# Altium PCB Graviton-RB1.PcbDoc (part 5 of 11)
Units mil, origin at the board's own origin, x right, y up, seen from the top; angles counter-clockwise.
Board outline 7874.02 x 7874.02 mil, 10 copper layers (Top Layer, Internal Plane 1, Signal Layer 1, Internal Plane 2, Signal Layer 2, Signal Layer 3, Internal Plane 3, Signal Layer 4, Internal Plane 4, Bottom Layer), stack 65.914 mil thick; 1299 components, 1517 nets, 7968 pads, 1791 vias.
Unrouted connection lines stored in the file: 4618.
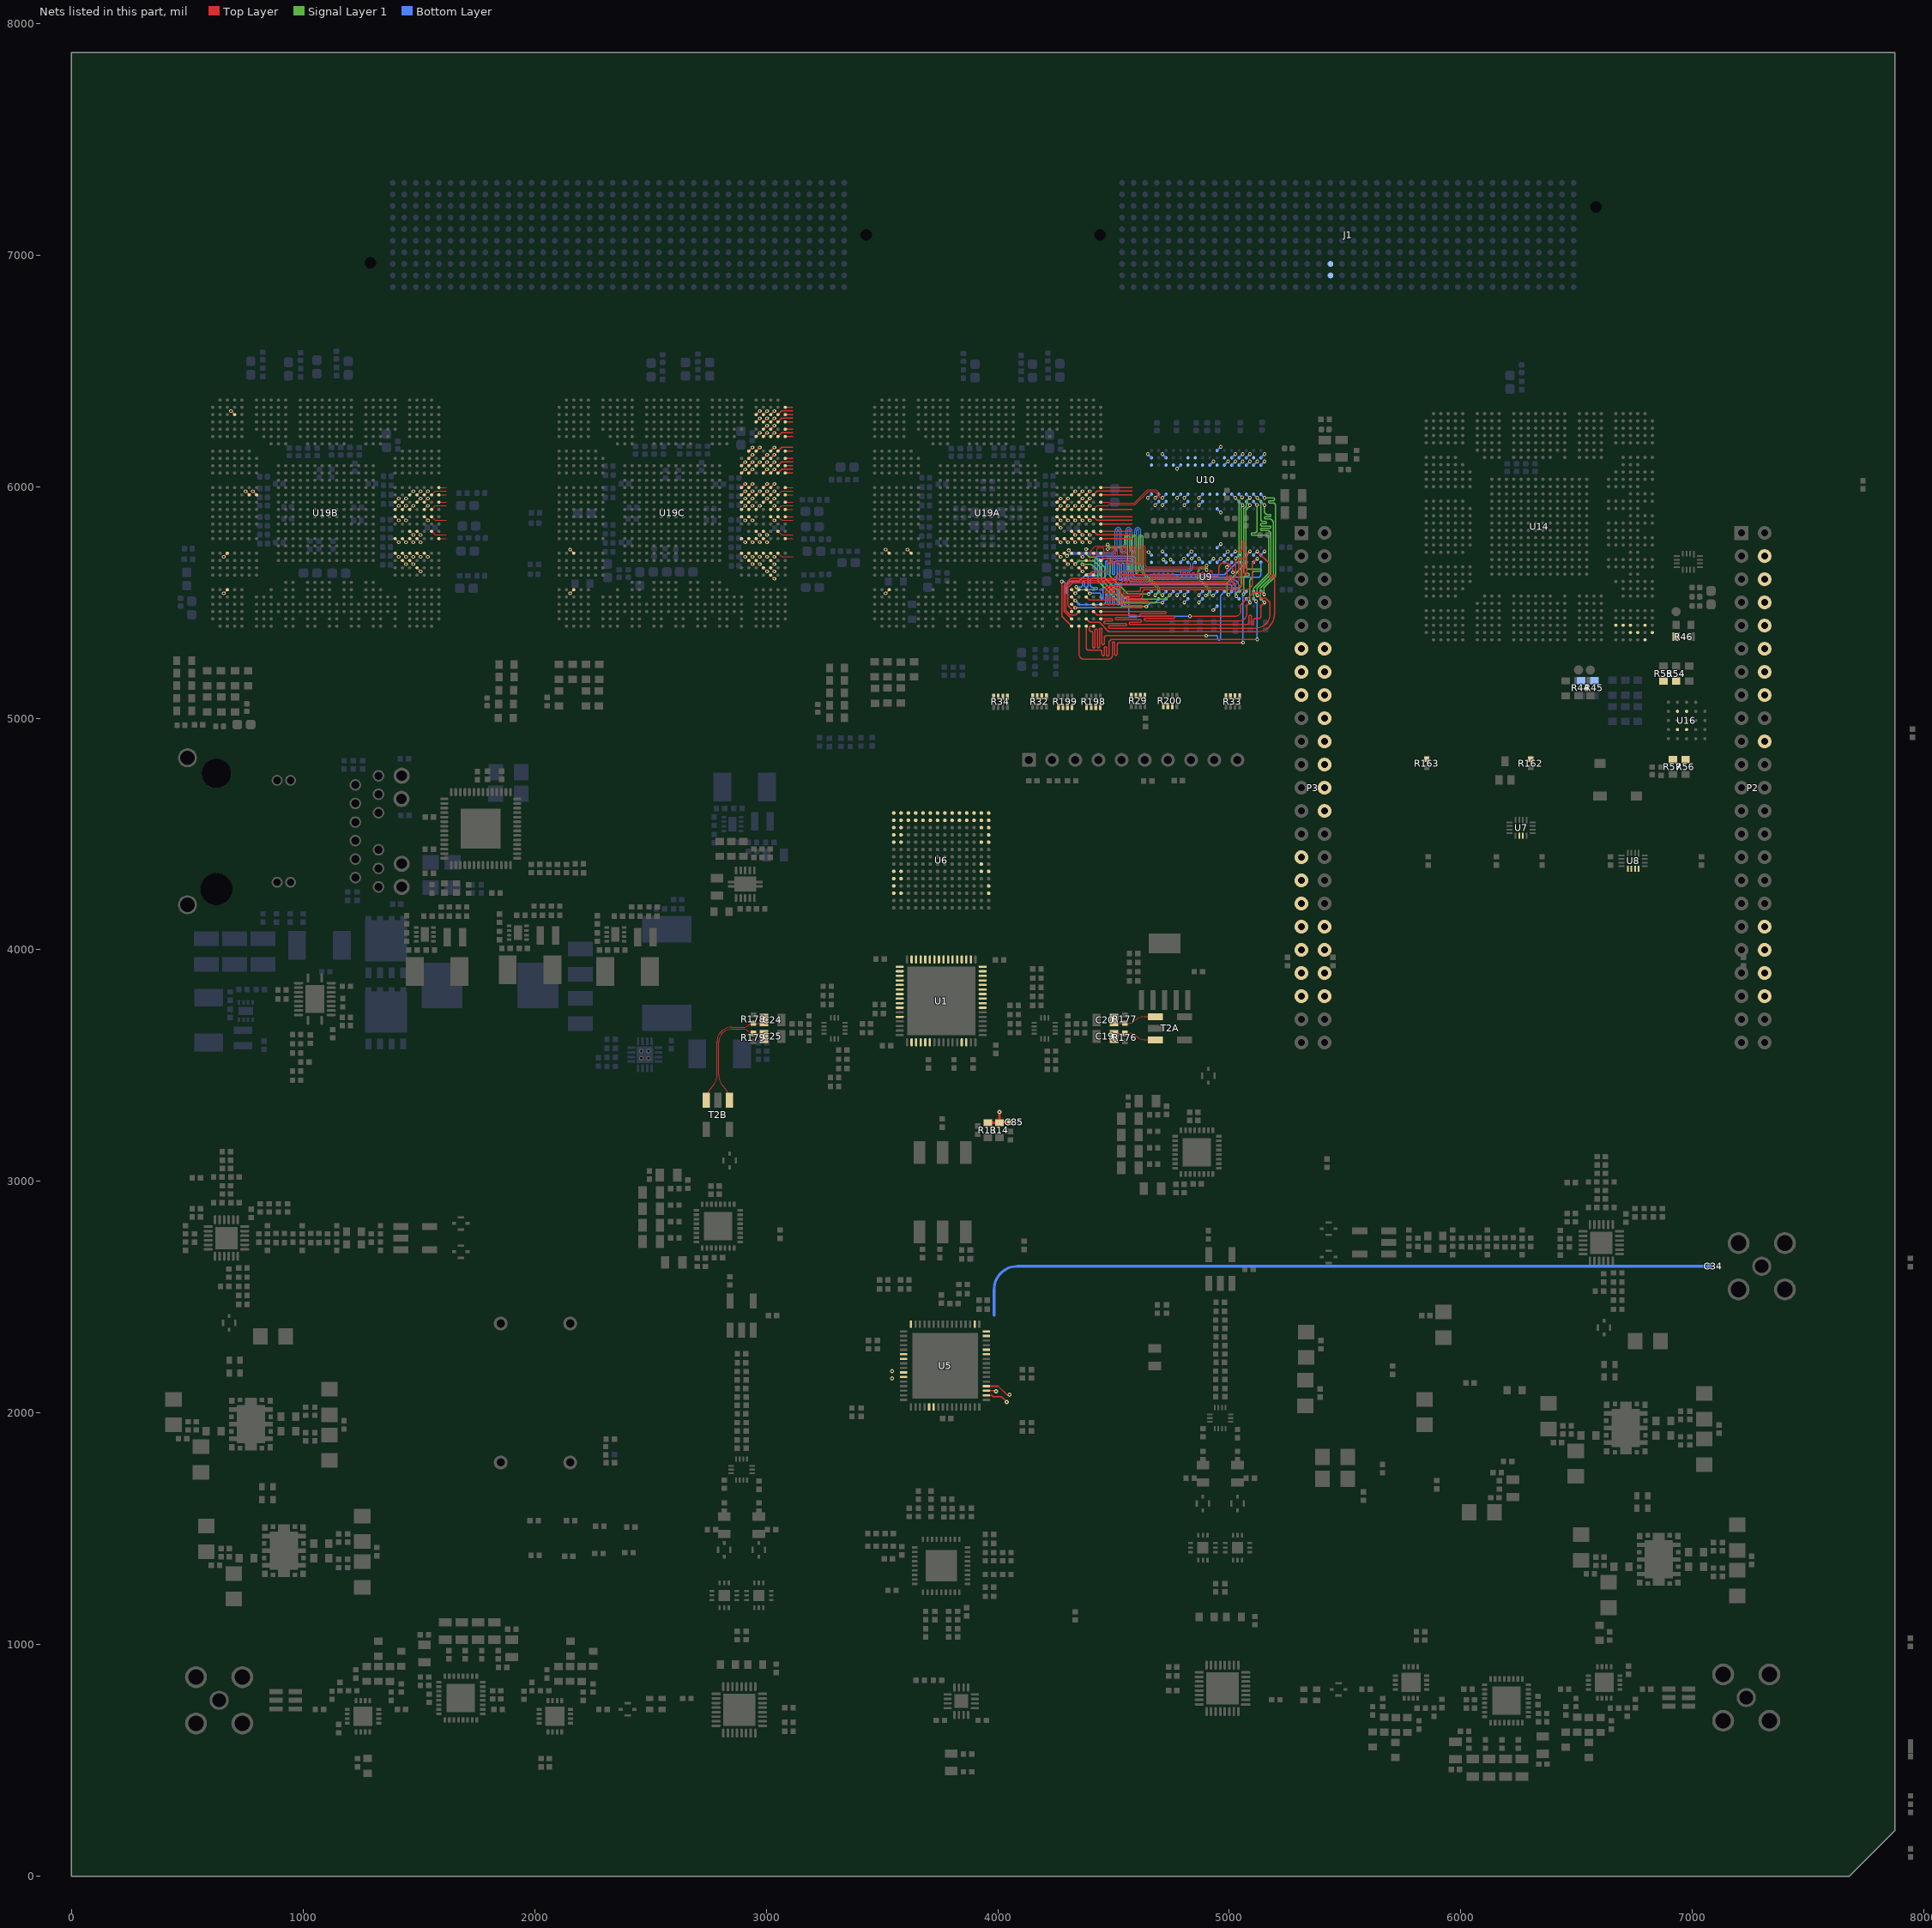
[diagram p13: the nets of this part, all layers, seen from the top]

## Via types
v1: diameter 16, hole 8, Top Layer to Bottom Layer, 1443 vias
v2: diameter 16, hole 8, Top Layer to Bottom Layer, tented top, 173 vias
v3: diameter 18, hole 8, Top Layer to Bottom Layer, 86 vias
v4: diameter 25.98, hole 8, Top Layer to Bottom Layer, tented top, 36 vias
v5: diameter 25.98, hole 12, Top Layer to Bottom Layer, tented top, 36 vias
v6: diameter 23.62, hole 11.81, Top Layer to Bottom Layer, 10 vias
v7: diameter 18, hole 8, Top Layer to Bottom Layer, tented bottom, 5 vias
v8: diameter 16, hole 8, Top Layer to Bottom Layer, tented both sides, 2 vias

## Nets (pads, with @x,y where several pads share a name; then routed paths per layer and width w, separated by ;. In a path a pad name is that pad's centre, name@x,y a point inside that pad or via, vN(x,y) a via of type N, cw(c..) or ccw(c..) an arc to the next point about the centre after c; other vN are vias at no path point) (continued)
ADC-CTRL.CTRL2: U1.12 U7.11
ADC-CTRL.RESET: U1.22 U8.9
ADC-CTRL.SCLK: U1.18 U8.12
ADC-CTRL.SDATA: U1.19 U8.11
ADC-CTRL.SDOUT: U1.21 U7.10
ADC-CTRL.SEN: U1.20 U8.10
ADC-D0_N: U1.9 U19B.P29 | length 22.3
  Top Layer w2.99: U19B.P29@1492.13,5964.57 v1(1507.87,5980.32)
ADC-D0_P: U1.10 U19B.P28 | length 22.3
  Top Layer w2.99: U19B.P28@1460.63,5964.57 v1(1476.38,5980.32)
ADC-D1_N: U1.7 U19B.T26 | length 22.3
  Top Layer w2.99: U19B.T26@1397.64,5901.57 v1(1413.39,5917.32)
ADC-D1_P: U1.8 U19B.R26 | length 22.3
  Top Layer w2.99: U19B.R26@1397.64,5933.07 v1(1413.39,5948.82)
ADC-D2_N: U1.5 U19B.T27 | length 22.3
  Top Layer w2.99: U19B.T27@1429.13,5901.57 v1(1444.88,5917.32)
ADC-D2_P: U1.6 U19B.R27 | length 22.3
  Top Layer w2.99: U19B.R27@1429.13,5933.07 v1(1444.88,5948.82)
ADC-D3_N: U1.3 U19B.U26 | length 22.3
  Top Layer w2.99: U19B.U26@1397.64,5870.08 v1(1413.39,5854.33)
ADC-D3_P: U1.4 U19B.U27 | length 22.3
  Top Layer w2.99: U19B.U27@1429.13,5870.08 v1(1444.88,5854.33)
ADC-D4_N: U1.1 U19B.T28 | length 22.3
  Top Layer w2.99: U19B.T28@1460.63,5901.57 v1(1476.38,5917.32)
ADC-D4_P: U1.2 U19B.R29 | length 22.3
  Top Layer w2.99: U19B.R29@1492.13,5933.07 v1(1507.87,5948.82)
ADC-D5_N: U1.62 U19B.P30 | length 22.3
  Top Layer w2.99: U19B.P30@1523.62,5964.57 v1(1539.37,5980.32)
ADC-D5_P: U1.63 U19B.P31 | length 70.1
  Top Layer w2.99: U19B.P31@1555.12,5964.57 1570.87,5980.32 1618.7,5980.32
ADC-D6_N: U1.60 U19B.T30 | length 22.3
  Top Layer w2.99: U19B.T30@1523.62,5901.57 v1(1539.37,5917.32)
ADC-D6_P: U1.61 U19B.R30 | length 22.3
  Top Layer w2.99: U19B.R30@1523.62,5933.07 v1(1539.37,5948.82)
ADC-D7_N: U1.58 U19B.P32 | length 32.1
  Top Layer w2.99: U19B.P32@1586.61,5964.57 1618.7,5964.57
ADC-D7_P: U1.59 U19B.N32 | length 32.1
  Top Layer w2.99: U19B.N32@1586.61,5996.06 1618.7,5996.06
ADC-D8_N: U1.39 U19B.U30 | length 22.3
  Top Layer w2.99: U19B.U30@1523.62,5870.08 v1(1539.37,5854.33)
ADC-D8_P: U1.40 U19B.U31 | length 70.1
  Top Layer w2.99: U19B.U31@1555.12,5870.08 1570.87,5854.33 1618.7,5854.33
ADC-D9_N: U1.41 U19B.T31 | length 70.1
  Top Layer w2.99: U19B.T31@1555.12,5901.57 1570.87,5917.32 1618.7,5917.32
ADC-D9_P: U1.42 U19B.R32 | length 32.1
  Top Layer w2.99: U19B.R32@1586.61,5933.07 1618.7,5933.07
ADC-D10_N: U1.43 U19B.Y27 | length 22.3
  Top Layer w2.99: U19B.Y27@1429.13,5775.59 v1(1444.88,5759.84)
ADC-D10_P: U1.44 U19B.Y26 | length 22.3
  Top Layer w2.99: U19B.Y26@1397.64,5775.59 v1(1413.39,5759.84)
ADC-D11_N: U1.45 U19B.W28 | length 22.3
  Top Layer w2.99: U19B.W28@1460.63,5807.09 v1(1476.38,5791.34)
ADC-D11_P: U1.46 U19B.Y28 | length 22.3
  Top Layer w2.99: U19B.Y28@1460.63,5775.59 v1(1476.38,5759.84)
ADC-D12_N: U1.47 U19B.W29 | length 22.3
  Top Layer w2.99: U19B.W29@1492.13,5807.09 v1(1507.87,5791.34)
ADC-D12_P: U1.48 U19B.Y29 | length 22.3
  Top Layer w2.99: U19B.Y29@1492.13,5775.59 v1(1507.87,5759.84)
ADC-D13_N: U1.50 U19B.AC27 | length 22.3
  Top Layer w2.99: U19B.AC27@1429.13,5681.1 v1(1444.88,5665.35)
ADC-D13_P: U1.51 U19B.AB26 | length 22.3
  Top Layer w2.99: U19B.AB26@1397.64,5712.6 v1(1413.39,5696.85)
ADC-D14_N: U1.52 U19B.AB27 | length 22.3
  Top Layer w2.99: U19B.AB27@1429.13,5712.6 v1(1444.88,5696.85)
ADC-D14_P: U1.53 U19B.AB28 | length 22.3
  Top Layer w2.99: U19B.AB28@1460.63,5712.6 v1(1476.38,5696.85)
ADC-D15_N: U1.54 U19B.AB29 | length 22.3
  Top Layer w2.99: U19B.AB29@1492.13,5712.6 v1(1507.87,5696.85)
ADC-D15_P: U1.55 U19B.AB30 | length 22.3
  Top Layer w2.99: U19B.AB30@1523.62,5712.6 v1(1539.37,5696.85)
ADC-DCLK_N: U1.56 U19B.AD29 | length 22.3
  Top Layer w2.99: U19B.AD29@1492.13,5649.61 v1(1507.87,5633.86)
ADC-DCLK_P: U1.57 U19B.AC28 | length 22.3
  Top Layer w2.99: U19B.AC28@1460.63,5681.1 v1(1476.38,5665.35)
ADC-INA_N: C19.1 R176.1 T2A.1 | length 173
  Top Layer w2.99: C19.1@4516.14,3639.96 R176.1@4549.21,3639.96 4570.25,3639.96 cw(c4570.25,3605.68) 4594.49,3629.92 ccw(c4639.16,3674.59) 4639.16,3611.42 T2A.1@4681.5,3611.42
ADC-INA_P: C20.1 R177.2 T2A.3 | length 173
  Top Layer w2.99: C20.1@4516.14,3682.87 R177.2@4549.21,3682.87 4566.31,3682.87 ccw(c4566.31,3717.15) 4590.55,3692.91 cw(c4635.22,3648.24) 4635.22,3711.42 T2A.3@4681.5,3711.42
ADC-INB_N: C24.1 R178.1 T2B.1 | length 494
  Top Layer w2.99: T2B.1@2741.34,3350 cw(c2823.36,3350) 2765.36,3408 ccw(c2712.3,3461.06) 2787.34,3461.06 2787.34,3602.42 cw(c2850.39,3602.42) 2850.39,3665.47 2902.87,3665.47 ccw(c2902.87,3692.76) 2922.17,3673.46 cw(c2944.88,3650.75) R178.1@2944.88,3682.87 C24.1@2975.98,3682.87
ADC-INB_P: C25.1 R179.2 T2B.3 | length 481.5
  Top Layer w2.99: T2B.3@2841.34,3350 ccw(c2759.31,3350) 2817.31,3408 cw(c2870.38,3461.06) 2795.33,3461.06 2795.33,3602.42 cw(c2850.39,3602.42) 2850.39,3657.48 2893.7,3657.48 cw(c2893.7,3608.34) 2928.45,3643.09 ccw(c2936,3650.64) 2936,3639.96 R179.2@2944.88,3639.96 C25.1@2975.98,3639.96
ADC-SYNC_N: U1.30 U19B.Y32 | length 32.1
  Top Layer w2.99: U19B.Y32@1586.61,5775.59 1618.7,5775.59
ADC-SYNC_P: U1.29 U19B.W31 | length 70.1
  Top Layer w2.99: U19B.W31@1555.12,5807.09 1570.87,5791.34 1618.7,5791.34
AIN0-EXT: P3.39
AIN1-EXT: P3.40
AIN2-EXT: P3.37
AIN3-EXT: P3.38
AIN4-EXT: P3.33
AIN5-EXT: P3.36
AIN6-EXT: P3.35
ALARM: P2.8 U6.N12
BANK3-DDRCTRL.CASN: R32.1 U9.K3 U10.K3 U19A.W30 | length 43.8
  Top Layer w5: U19A.W30@4381.89,5807.09 v1(4397.64,5791.34)
  Bottom Layer w4.75: U9.K3@4947.25,5673 v2(4962.5,5688.25)
BANK3-DDRCTRL.CKE: R32.4 U9.K9 U10.K9 U19A.U28 | length 46.3
  Top Layer w5: U19A.U28@4318.9,5870.08 v1(4334.65,5854.33)
  Bottom Layer w4.75: v2(4930.25,5467) U9.K9@4947.25,5484
  other v2: 4963,5888.25
BANK3-DDRCTRL.CLK_N: R29.2 U9.K7 U10.K7 U19A.AC32 | length 1232.3
  Top Layer w2.99: U19A.AC32@4444.88,5681.1 ccw(c4441.27,5684.71) 4446.38,5684.71 cw(c4454.52,5684.71) 4454.52,5692.85 4469.15,5692.85 cw(c4469.15,5685) 4477.01,5685 4477.01,5675 ccw(c4490,5675) 4490,5662.01 ccw(c4490,5673) 4500.99,5673 4500.99,5730.99 cw(c4505,5730.99) 4505,5735 cw(c4505,5730) 4510,5730 4510,5677.01 ccw(c4525,5677.01) 4525,5662.01 ccw(c4525,5675) 4537.99,5675 4537.99,5727.99 cw(c4545,5727.99) 4545,5735 cw(c4545,5730) 4550,5730 4550,5677.01 ccw(c4565,5677.01) 4565,5662.01 ccw(c4565,5675) 4577.99,5675 4577.99,5727.99 cw(c4585,5727.99) 4585,5735 cw(c4585,5730) 4590,5730 4590,5675.51 ccw(c4603.5,5675.51) 4603.5,5662.01 4605,5662.01 ccw(c4605,5675) 4617.99,5675 4617.99,5729.99 cw(c4625,5729.99) 4625,5737 cw(c4625,5732) 4630,5732 4630,5660 ccw(c4644.49,5660) 4644.49,5645.51 4896.49,5645.51 cw(c4896.49,5640) v2(4902,5640)
  Signal Layer 1 w2.99: v2(4902,5640) ccw(c4895.57,5640) 4895.57,5646.43 4880,5646.43 ccw(c4880,5636.43) 4870,5636.43 4870,5605 4917.38,5557.62 4917.38,5534 ccw(c4921.38,5534) 4921.38,5530 v2(4930,5530)
  Bottom Layer w2.99: U9.K7@4942,5548.5 U9.K7@4943.64,5548.5
  Bottom Layer w4.72: v2@4930.11,5529.86 U9.K7@4947.25,5547
BANK3-DDRCTRL.CLK_P: R29.1 U9.J7 U10.J7 U19A.AB32 | length 1240.9
  Top Layer w2.99: U19A.AB32@4444.88,5712.6 cw(c4441.27,5708.99) 4446.38,5708.99 ccw(c4454.52,5708.99) 4454.52,5700.85 4470.46,5700.85 cw(c4470.46,5686.3) 4485,5686.3 4485,5675 ccw(c4490,5675) 4490,5670 ccw(c4490,5673) 4493,5673 4493,5730.99 cw(c4505,5730.99) 4505,5742.99 cw(c4505,5730) 4517.99,5730 4517.99,5677.01 ccw(c4525,5677.01) 4525,5670 ccw(c4525,5675) 4530,5675 4530,5727.99 cw(c4545,5727.99) 4545,5742.99 cw(c4545,5730) 4557.99,5730 4557.99,5677.01 ccw(c4565,5677.01) 4565,5670 ccw(c4565,5675) 4570,5675 4570,5727.99 cw(c4585,5727.99) 4585,5742.99 cw(c4585,5730) 4597.99,5730 4597.99,5675.51 ccw(c4603.5,5675.51) 4603.5,5670 4605,5670 ccw(c4605,5675) 4610,5675 4610,5729.99 cw(c4625,5729.99) 4625,5744.99 cw(c4625,5732) 4637.99,5732 4637.99,5660 ccw(c4644.49,5660) 4644.49,5653.5 4896.48,5653.5 ccw(c4896.48,5659.01) v2(4901.99,5659.01)
  Signal Layer 1 w2.99: v2(4898.61,5529.86) 4907.1,5529.86 ccw(c4907.1,5534) 4911.24,5534 4911.24,5555.08 4863.86,5602.46 4863.86,5636.43 cw(c4880,5636.43) 4880,5652.57 4895.56,5652.57 ccw(c4895.56,5659.01) v2(4901.99,5659.01)
  Bottom Layer w4.72: v2(4898.61,5529.86) U9.J7@4915.75,5547
BANK3-DDRCTRL.CSN: R29.3 U9.L2 U10.L2 U19A.U29 | length 43.8
  Top Layer w5: U19A.U29@4350.39,5870.08 v1(4366.14,5854.33)
  Bottom Layer w4.75: U9.L2@4978.75,5704.5 v2(4994,5719.75)
BANK3-DDRCTRL.ODT: R32.3 U9.K1 U10.K1 U19A.V26 | length 22.3
  Top Layer w5: U19A.V26@4255.91,5838.58 v1(4271.65,5822.83)
  other v2: 4963,5751.75 4963,6171.75
BANK3-DDRCTRL.RASN: R29.4 U9.J3 U10.J3 U19A.Y30 | length 22.3
  Top Layer w5: U19A.Y30@4381.89,5775.59 v1(4397.64,5759.84)
  other v2: 4931.5,5688.75 4931.5,6108.75
BANK3-DDRCTRL.RSTN: R31.2 U9.T2 U10.T2 U19A.T29 | length 22.3
  Top Layer w5: U19A.T29@4350.39,5901.57 v1(4366.14,5917.32)
  other v2: 5152,5720.25 5152,6140.25
BANK3-DDRCTRL.WEN: R32.2 U9.L3 U10.L3 U19A.AE31
  other v2: 4994.5,5688.75 4994.5,6108.75
BANK3-DQS32.DQM0: U10.E7 U19A.T32 | length 135.1
  Top Layer w4.72: U19A.T32@4444.88,5901.57 4580,5901.57
  other v2: 4774,5951.25
BANK3-DQS32.DQM1: U10.D3 U19A.U32 | length 135.1
  Top Layer w4.72: U19A.U32@4444.88,5870.08 4580,5870.08
BANK3-DQS32.DQM2: U9.E7 U19A.V32 | length 135.1
  Top Layer w4.72: U19A.V32@4444.88,5838.58 4580,5838.58
  other v2: 4774,5531.25
BANK3-DQS32.DQM3: U9.D3 U19A.W32 | length 152.1
  Top Layer w4.72: U19A.W32@4444.88,5807.09 4580,5807.09
  Bottom Layer w4.75: v2(4746.25,5685) U9.D3@4758.25,5673
BANK3-DQS32.DQS0_N: U10.G3 U19A.T28 | length 22.3
  Top Layer w2.99: U19A.T28@4318.9,5901.57 v1(4334.65,5917.32)
BANK3-DQS32.DQS0_P: U10.F3 U19A.R29 | length 22.3
  Top Layer w2.99: U19A.R29@4350.39,5933.07 v1(4366.14,5948.82)
BANK3-DQS32.DQS1_N: U10.B7 U19A.T31 | length 340.8
  Top Layer w2.99: U19A.T31@4413.39,5901.57 4429.13,5917.32 4476.97,5917.32 4480.85,5921.2 4592.5,5921.2 4650.65,5979.35 4678.35,5979.35 4691.25,5966.44 4691.25,5954 4688.5,5951.25 v2(4679.5,5951.25)
BANK3-DQS32.DQS1_P: U10.C7 U19A.R32 | length 316
  Top Layer w2.99: U19A.R32@4444.88,5933.07 4476.97,5933.07 4480.85,5929.19 4589.19,5929.19 4645,5985 4647.34,5987.34 4681.66,5987.34 4699.25,5969.75 4699.25,5954 4702,5951.25 v2(4711,5951.25)
BANK3-DQS32.DQS2_N: U9.G3 U19A.AB27 | length 1243.8
  Top Layer w2.99: U19A.AB27@4287.4,5712.6 v1(4299,5701)
  Bottom Layer w2.99: v1(4299,5701) cw(c4307.01,5701) 4307.01,5709.01 4493,5709.01 ccw(c4493,5731.01) 4515,5731.01 4515,5810 cw(c4520,5810) 4520,5815 cw(c4520,5807.99) 4527.01,5807.99 4527.01,5730 ccw(c4545,5730) 4545,5712.01 ccw(c4545,5727.01) 4560,5727.01 4560,5810 ; 4560,5810.99 4560,5810 ; U9.G3@4852.75,5673 cw(c4849.14,5676.61) 4849.14,5671.5 ccw(c4849.14,5663.36) 4841,5663.36 4841,5649 cw(c4826,5649) 4826,5634.01 4630,5634.01 cw(c4630,5655) 4609.01,5655 4609.01,5810.99 ccw(c4605,5810.99) 4605,5815 ccw(c4605,5810) 4600,5810 4600,5727.01 cw(c4585,5727.01) 4585,5712.01 cw(c4585,5725) 4572.01,5725 4572.01,5807.99 ccw(c4565,5807.99) 4565,5815 ccw(c4565,5810) 4560,5810
BANK3-DQS32.DQS2_P: U9.F3 U19A.AB28 | length 1224.9
  Top Layer w2.99: v1(4306.5,5725) U19A.AB28@4318.9,5712.6
  Bottom Layer w2.99: v1(4306.5,5725) ccw(c4314.5,5725) 4314.5,5717 4493,5717 ccw(c4493,5731.01) 4507.01,5731.01 4507.01,5810 cw(c4520,5810) 4520,5822.99 cw(c4520,5807.99) 4535,5807.99 4535,5730 ccw(c4545,5730) 4545,5720 ccw(c4545,5727.01) 4552.01,5727.01 4552.01,5810 ; 4552.01,5810.99 4552.01,5810 ; U9.F3@4821.25,5673 ccw(c4824.86,5676.61) 4824.86,5671.5 cw(c4824.86,5663.36) 4833,5663.36 4833,5649 cw(c4826,5649) 4826,5642 4630,5642 cw(c4630,5655) 4617,5655 4617,5810.99 ccw(c4605,5810.99) 4605,5822.99 ccw(c4605,5810) 4592.01,5810 4592.01,5727.01 cw(c4585,5727.01) 4585,5720 cw(c4585,5725) 4580,5725 4580,5807.99 ccw(c4565,5807.99) 4565,5822.99 ccw(c4565,5810) 4552.01,5810
BANK3-DQS32.DQS3_N: U9.B7 U19A.AB31 | length 1205
  Top Layer w2.99: U19A.AB31@4413.39,5712.6 4413.39,5702.61 ccw(c4418,5702.61) 4418,5698 4423,5698 ccw(c4423,5704) 4429,5704 4429,5731 cw(c4434,5731) 4434,5736 4454,5736 cw(c4454,5731) 4459,5731 4459,5719 ccw(c4464,5719) 4464,5714 4469,5714 ccw(c4469,5720) 4475,5720 v2(4475,5730)
  Signal Layer 1 w2.99: v2(4475,5730) cw(c4481.86,5730) 4481.86,5736.86 4534.57,5736.86 ccw(c4534.57,5755) 4552.72,5755 4552.72,5781 cw(c4557.72,5781) 4557.72,5786 cw(c4557.72,5781) 4562.72,5781 4562.72,5642 ccw(c4572.86,5642) 4572.86,5631.86 ccw(c4572.86,5641.86) 4582.86,5641.86 4582.86,5780 cw(c4587.86,5780) 4587.86,5785 cw(c4587.86,5780) 4592.86,5780 4592.86,5641 ccw(c4603,5641) 4603,5630.86 ccw(c4603,5640.86) 4613,5640.86 4613,5779 cw(c4618,5779) 4618,5784 cw(c4618,5779) 4623,5779 4623,5628.18 4692.18,5559 4692.18,5543.93 cw(c4679.5,5543.93) v2(4679.5,5531.25)
BANK3-DQS32.DQS3_P: U9.C7 U19A.AC30 | length 1218.7
  Top Layer w2.99: U19A.AC30@4381.89,5681.1 4394.1,5681.1 4399,5686 4399,5720.3 4420.35,5741.65 4422.69,5743.99 4468.99,5743.99 ccw(c4468.99,5750) v2(4475,5750)
  Signal Layer 1 w2.99: v2(4475,5750) ccw(c4482,5750) 4482,5743 4534.57,5743 ccw(c4534.57,5755) 4546.57,5755 4546.57,5781 cw(c4557.72,5781) 4557.72,5792.14 cw(c4557.72,5781) 4568.86,5781 4568.86,5642 ccw(c4572.86,5642) 4572.86,5638 ccw(c4572.86,5641.86) 4576.72,5641.86 4576.72,5780 cw(c4587.86,5780) 4587.86,5791.14 cw(c4587.86,5780) 4599,5780 4599,5641 ccw(c4603,5641) 4603,5637 ccw(c4603,5640.86) 4606.86,5640.86 4606.86,5779 cw(c4618,5779) 4618,5790.14 cw(c4618,5779) 4629.14,5779 4629.14,5630.72 4698.32,5561.54 4698.32,5543.93 ccw(c4711,5543.93) v2(4711,5531.25)
BBBGPIO0-30: P3.11
BBBGPIO0-31: P3.13
BBBGPIO1-16: P3.15
BBBGPIO2-11: P2.42
BBBGPIO2-13: P2.40
BBBGPIO2-15: P2.38
BBBGPIO3-14: P3.31
BBBGPIO3-15: P3.29
BBBGPIO3-18: P3.42
BUZZER: R163.2 U19A.AB6 | length 22.3
  Top Layer w5: v1(3610.24,5728.35) U19A.AB6@3625.98,5712.6
BUZZER-MCU: P2.36 R162.2
CFG_CS1N: R45.1 U14.AH3
CFG_CSN: R44.1 U14.AG3
CFG_SPI_DQ0: R54.1 U14.AK2 U16.D3
CFG_SPI_DQ1: R55.1 U14.AJ2 U16.D2
CFG_SPI_DQ2: R56.1 U14.AM2 U16.C4
CFG_SPI_DQ3: R57.1 U14.AL1 U16.D4
CFG_SPI_SN: U14.AJ3 U16.C2
CFG_WRITEN: R46.1 U14.AL3
CLIENT-CLK_N: J1.218 U5.54
CLIENT-CLK_P: J1.219 U5.55
CLK-CTRL.C\S\: U5.18 | length 99.8
  Top Layer w5.98: U5.18@3951.77,2076.77 3974.41,2076.77 3980.31,2070.87 4015.75,2070.87 v3(4039.37,2047.24)
CLK-CTRL.CSN: P3.20
CLK-CTRL.LD1: P3.16 U5.31
CLK-CTRL.LD2: P3.18 U5.48
CLK-CTRL.RESET: P3.26 U5.5
CLK-CTRL.SCK: P3.22 U5.19 | length 41.2
  Top Layer w5.98: U5.19@3951.77,2096.46 3990.16,2096.46 v3(3992.13,2094.49)
CLK-CTRL.SDIO: P3.24 U5.20 | length 114.9
  Top Layer w5.98: U5.20@3951.77,2116.14 4001.97,2116.14 4039.37,2078.74 v3(4051.18,2078.74)
CLK-CTRL.SEL0: P3.12 U5.58
  other v3: 3543.31,2181.1
CLK-CTRL.SEL1: P3.14 U5.59
  other v3: 3543.31,2149.61
CLKIN: C34.1 U5.34 | length 3258.1
  Bottom Layer w11.81: 3984.25,2421.26 3984.25,2533.86 cw(c4084.25,2533.86) 4084.25,2633.86 C34.1@7072.64,2633.86
CLKOUT3_N: U13.6
CLKOUT3_P: U13.7
CLOCK-SYNC: P3.41 U5.6
CPOUT1: C85.1 R13.1 R14.2 U5.32 | length 136.9
  Top Layer w11.81: R13.1@3956.69,3253.54 R14.2@4007.87,3253.54 ; v3(4007.87,3299.21) 4007.87,3259.84 4011.02,3256.69 C85.1@4052.95,3256.69
CSNA: U19A.AG3 | length 22.3
  Top Layer w5: v1(3515.75,5539.37) U19A.AG3@3531.5,5555.12
CSNB: U19B.AG3 | length 22.3
  Top Layer w5: v1(657.48,5539.37) U19B.AG3@673.23,5555.12
CSNC: U19C.AG3 | length 22.3
  Top Layer w5: v1(2153.54,5539.37) U19C.AG3@2169.29,5555.12
DAC-CTRL.RESETN: P2.4 U6.N10
DAC-CTRL.SCLK: P2.20 U6.P9
DAC-CTRL.SDENN: P2.6 U6.P10
DAC-CTRL.SDIO: P2.16 U6.P11
DAC-CTRL.SDO: P2.14 U6.P12
DAC-CTRL.SLEEP: P2.12 U6.B8
DAC-CTRL.TXENABLE: P2.10 U6.N9
DAC-LVDS.DAC-D0_N: U6.P4 U19C.P29 | length 22.3
  Top Layer w2.99: U19C.P29@2988.19,5964.57 v1(3003.94,5980.32)
DAC-LVDS.DAC-D0_P: U6.N4 U19C.P28 | length 22.3
  Top Layer w2.99: U19C.P28@2956.69,5964.57 v1(2972.44,5980.32)
DAC-LVDS.DAC-D1_N: U6.P3 U19C.T26 | length 22.3
  Top Layer w2.99: U19C.T26@2893.7,5901.57 v1(2909.45,5917.32)
DAC-LVDS.DAC-D1_P: U6.N3 U19C.R26 | length 22.3
  Top Layer w2.99: U19C.R26@2893.7,5933.07 v1(2909.45,5948.82)
DAC-LVDS.DAC-D2_N: U6.P2 U19C.T27 | length 22.3
  Top Layer w2.99: U19C.T27@2925.2,5901.57 v1(2940.94,5917.32)
DAC-LVDS.DAC-D2_P: U6.N2 U19C.R27 | length 22.3
  Top Layer w2.99: U19C.R27@2925.2,5933.07 v1(2940.94,5948.82)
DAC-LVDS.DAC-D3_N: U6.P1 U19C.U26 | length 22.3
  Top Layer w2.99: U19C.U26@2893.7,5870.08 v1(2909.45,5854.33)
DAC-LVDS.DAC-D3_P: U6.N1 U19C.U27 | length 22.3
  Top Layer w2.99: U19C.U27@2925.2,5870.08 v1(2940.94,5854.33)
DAC-LVDS.DAC-D4_N: U6.M1 U19C.T28 | length 22.3
  Top Layer w2.99: U19C.T28@2956.69,5901.57 v1(2972.44,5917.32)
DAC-LVDS.DAC-D4_P: U6.M2 U19C.R29 | length 22.3
  Top Layer w2.99: U19C.R29@2988.19,5933.07 v1(3003.94,5948.82)
DAC-LVDS.DAC-D5_N: U6.L1 U19C.P30 | length 22.3
  Top Layer w2.99: U19C.P30@3019.68,5964.57 v1(3035.43,5980.32)
DAC-LVDS.DAC-D5_P: U6.L2 U19C.P31 | length 70.1
  Top Layer w2.99: U19C.P31@3051.18,5964.57 3066.93,5980.32 3114.76,5980.32
DAC-LVDS.DAC-D6_N: U6.K1 U19C.T30 | length 22.3
  Top Layer w2.99: U19C.T30@3019.68,5901.57 v1(3035.43,5917.32)
DAC-LVDS.DAC-D6_P: U6.K2 U19C.R30 | length 22.3
  Top Layer w2.99: U19C.R30@3019.68,5933.07 v1(3035.43,5948.82)
DAC-LVDS.DAC-D7_N: U6.J1 U19C.P32 | length 32.1
  Top Layer w2.99: U19C.P32@3082.68,5964.57 3114.76,5964.57
DAC-LVDS.DAC-D7_P: U6.J2 U19C.N32 | length 32.1
  Top Layer w2.99: U19C.N32@3082.68,5996.06 3114.76,5996.06
DAC-LVDS.DAC-D8_N: U6.F1 U19C.U30 | length 22.3
  Top Layer w2.99: U19C.U30@3019.68,5870.08 v1(3035.43,5854.33)
DAC-LVDS.DAC-D8_P: U6.F2 U19C.U31 | length 70.1
  Top Layer w2.99: U19C.U31@3051.18,5870.08 3066.93,5854.33 3114.76,5854.33
DAC-LVDS.DAC-D9_N: U6.E1 U19C.T31 | length 70.1
  Top Layer w2.99: U19C.T31@3051.18,5901.57 3066.93,5917.32 3114.76,5917.32
DAC-LVDS.DAC-D9_P: U6.E2 U19C.R32 | length 32.1
  Top Layer w2.99: U19C.R32@3082.68,5933.07 3114.76,5933.07
DAC-LVDS.DAC-D10_N: U6.D1 U19C.Y27 | length 22.3
  Top Layer w2.99: U19C.Y27@2925.2,5775.59 v1(2940.94,5759.84)
DAC-LVDS.DAC-D10_P: U6.D2 U19C.Y26 | length 22.3
  Top Layer w2.99: U19C.Y26@2893.7,5775.59 v1(2909.45,5759.84)
DAC-LVDS.DAC-D11_N: U6.C1 U19C.W28 | length 22.3
  Top Layer w2.99: U19C.W28@2956.69,5807.09 v1(2972.44,5791.34)
DAC-LVDS.DAC-D11_P: U6.C2 U19C.Y28 | length 22.3
  Top Layer w2.99: U19C.Y28@2956.69,5775.59 v1(2972.44,5759.84)
DAC-LVDS.DAC-D12_N: U6.B1 U19C.W29 | length 22.3
  Top Layer w2.99: U19C.W29@2988.19,5807.09 v1(3003.94,5791.34)
DAC-LVDS.DAC-D12_P: U6.A1 U19C.Y29 | length 22.3
  Top Layer w2.99: U19C.Y29@2988.19,5775.59 v1(3003.94,5759.84)
DAC-LVDS.DAC-D13_N: U6.B2 U19C.AC27 | length 22.3
  Top Layer w2.99: U19C.AC27@2925.2,5681.1 v1(2940.94,5665.35)
DAC-LVDS.DAC-D13_P: U6.A2 U19C.AB26 | length 22.3
  Top Layer w2.99: U19C.AB26@2893.7,5712.6 v1(2909.45,5696.85)
DAC-LVDS.DAC-D14_N: U6.B3 U19C.AB27 | length 22.3
  Top Layer w2.99: U19C.AB27@2925.2,5712.6 v1(2940.94,5696.85)
DAC-LVDS.DAC-D14_P: U6.A3 U19C.AB28 | length 22.3
  Top Layer w2.99: U19C.AB28@2956.69,5712.6 v1(2972.44,5696.85)
DAC-LVDS.DAC-D15_N: U19C.AB29 | length 22.3
  Top Layer w2.99: U19C.AB29@2988.19,5712.6 v1(3003.94,5696.85)
DAC-LVDS.DAC-D15_P: U6.A4 U19C.AB30 | length 22.3
  Top Layer w2.99: U19C.AB30@3019.68,5712.6 v1(3035.43,5696.85)
DAC-LVDS.DAC-DCLK_N: U6.G1 U19C.AD29 | length 22.3
  Top Layer w2.99: U19C.AD29@2988.19,5649.61 v1(3003.94,5633.86)
DAC-LVDS.DAC-DCLK_P: U6.G2 U19C.AC28 | length 22.3
  Top Layer w2.99: U19C.AC28@2956.69,5681.1 v1(2972.44,5665.35)
DAC-LVDS.DAC-FRAME_N: U6.H1 U19C.U32 | length 32.1
  Top Layer w2.99: U19C.U32@3082.68,5870.08 3114.76,5870.08
DAC-LVDS.DAC-FRAME_P: U6.H2 U19C.T32 | length 32.1
  Top Layer w2.99: U19C.T32@3082.68,5901.57 3114.76,5901.57
DAC-LVDS.DAC-OSTR_N: U6.B9 U19C.AB31 | length 70.1
  Top Layer w2.99: U19C.AB31@3051.18,5712.6 3066.93,5696.85 3114.76,5696.85
DAC-LVDS.DAC-OSTR_P: U6.A9 U19C.AC30 | length 22.3
  Top Layer w2.99: U19C.AC30@3019.68,5681.1 v1(3035.43,5665.35)
DAC-LVDS.DAC-PARITY_N: U6.P5 U19C.AE30 | length 22.3
  Top Layer w2.99: U19C.AE30@3019.68,5618.11 v1(3035.43,5602.36)
DAC-LVDS.DAC-PARITY_P: U6.N5 U19C.AD30 | length 22.3
  Top Layer w2.99: U19C.AD30@3019.68,5649.61 v1(3035.43,5633.86)